# Altium PCB RK_NVR_DEMO1_RK3588_LP4XD200P232SD8_V21_20211228_final_lint.PcbDoc (part 7 of 29) (continued)
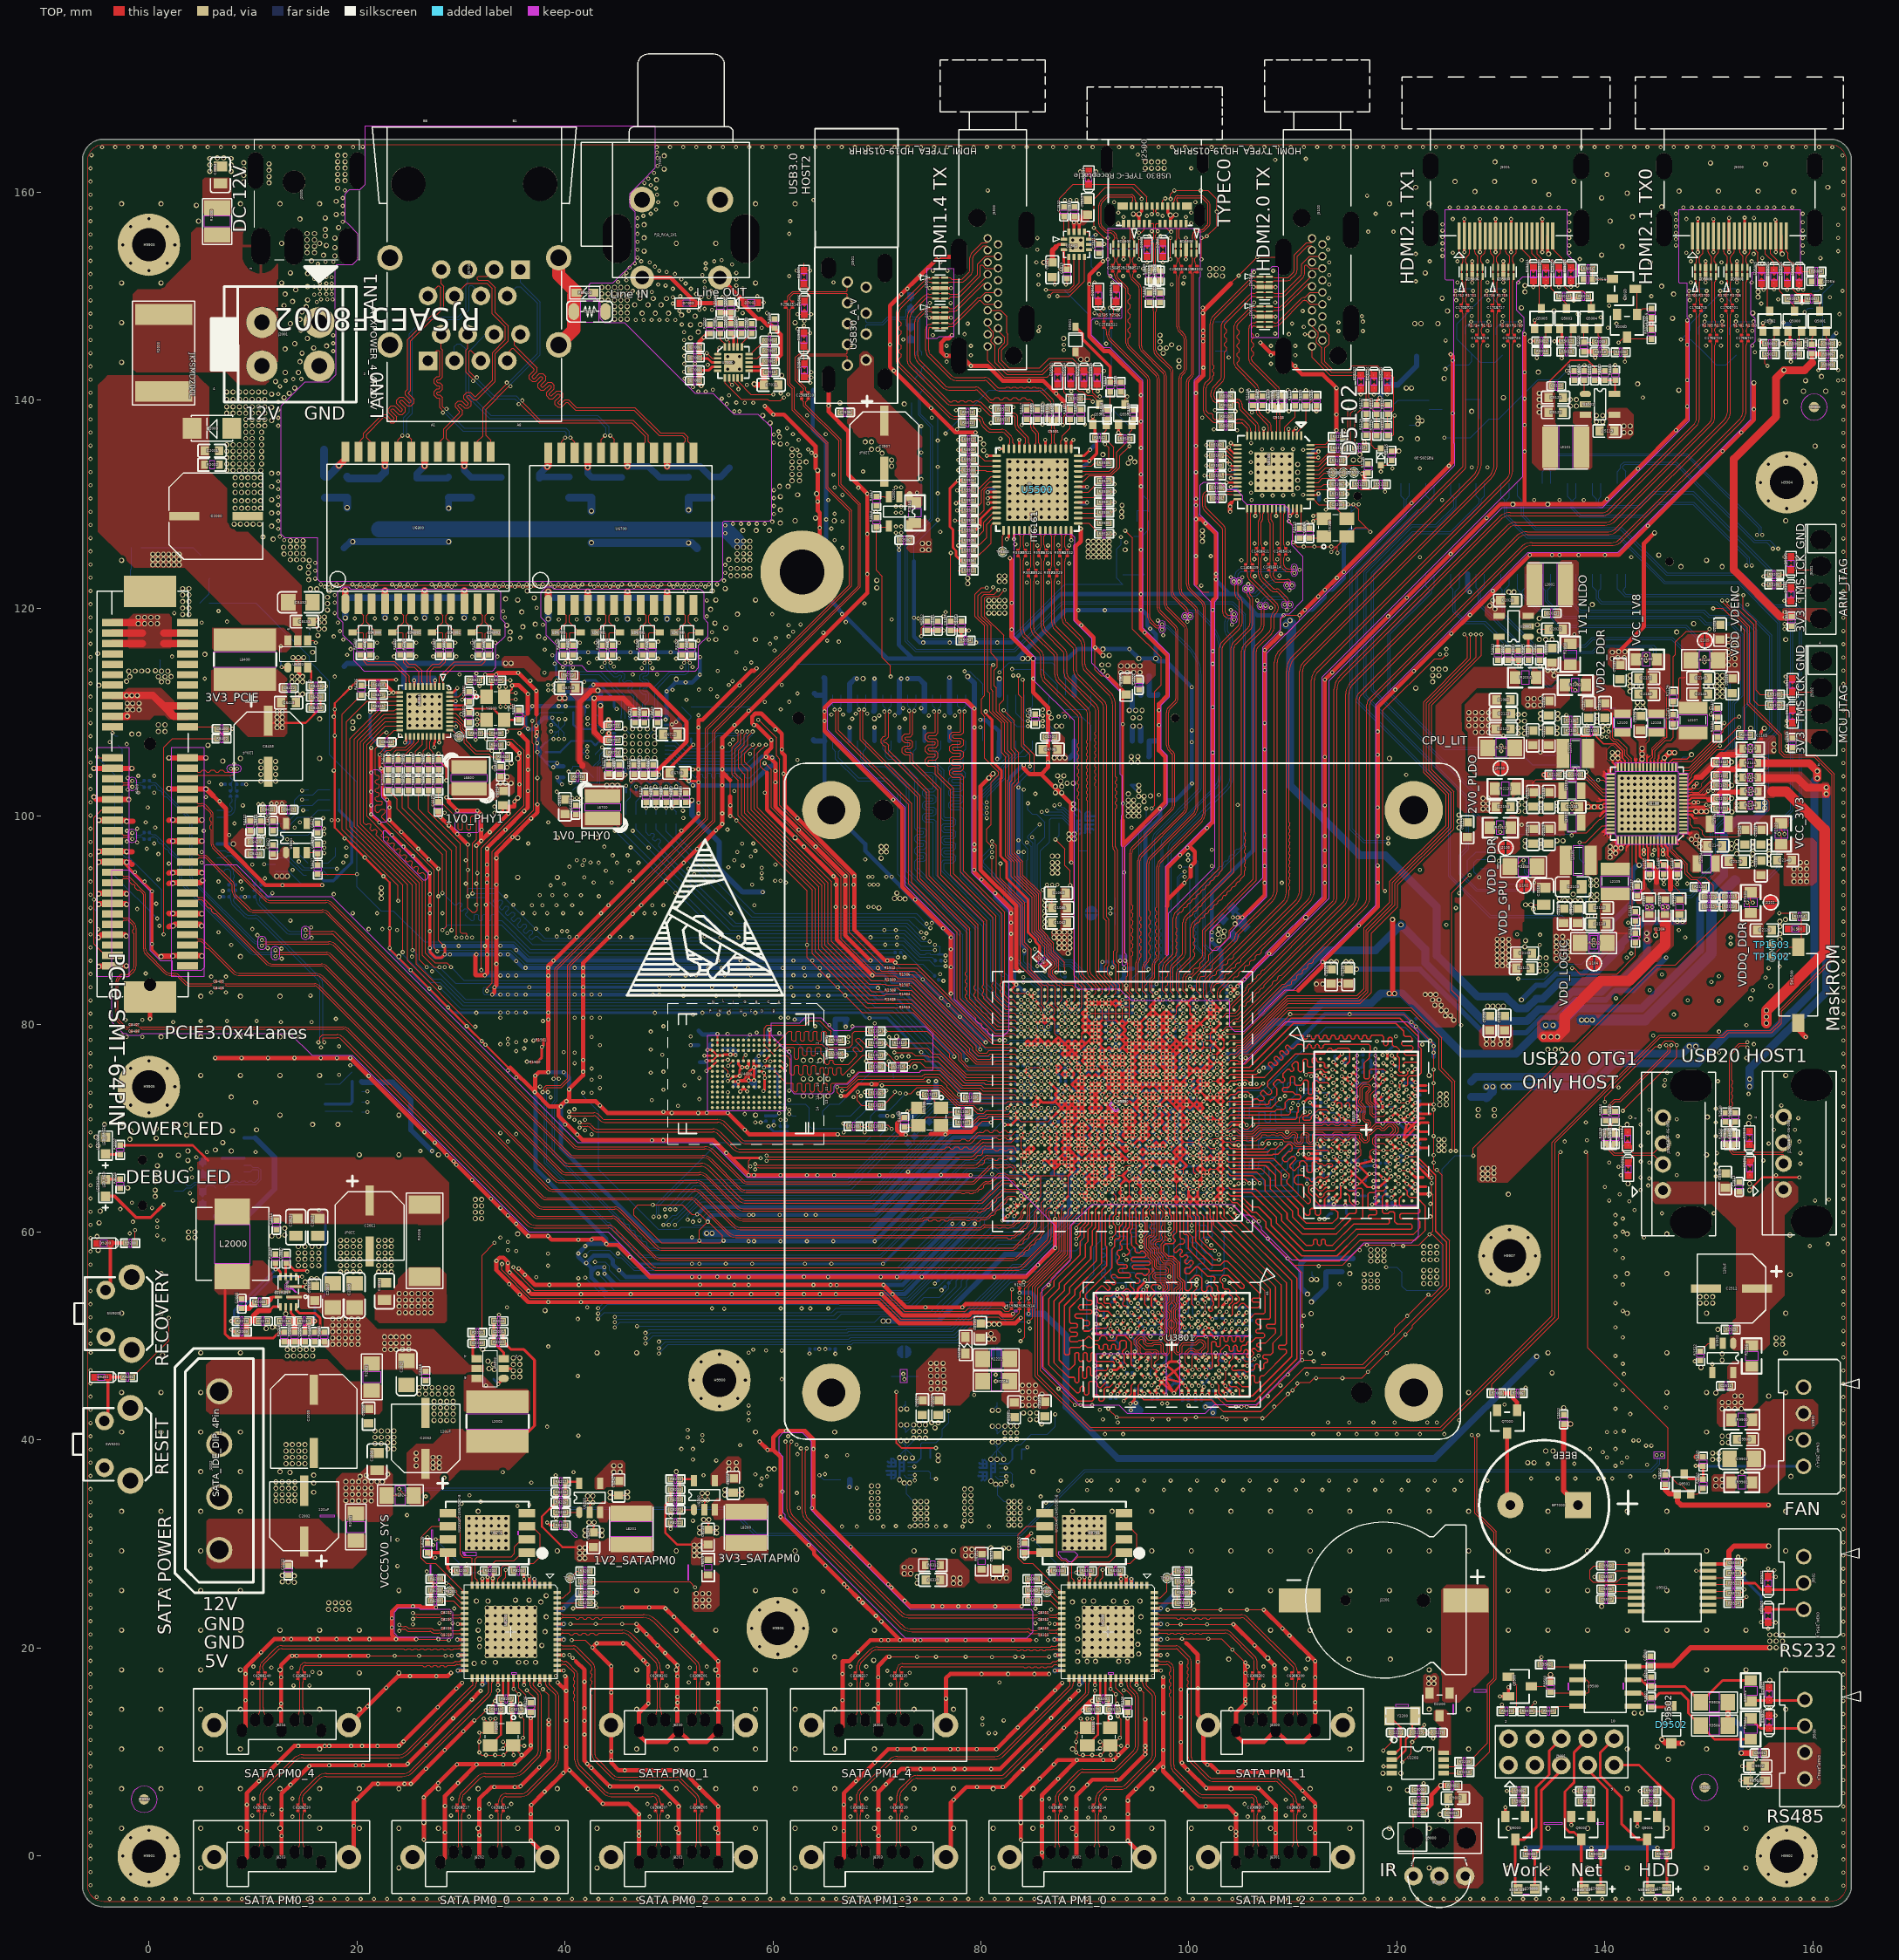
[diagram p0: TOP view]
## Nets (pads, with @x,y where several pads share a name; then routed paths per layer and width w, separated by ;. In a path a pad name is that pad's centre, name@x,y a point inside that pad or via, vN(x,y) a via of type N, cw(c..) or ccw(c..) an arc to the next point about the centre after c; other vN are vias at no path point) (continued)
DDR_CH1_CLKP_D: U1000.B13 U3801.P8 | length 27.5
  TOP w0.102: U1000.B13@96.541,62.506 96.634,62.412 96.634,62.268 96.532,62.167 96.33,62.167 96.203,62.039 96.203,61.739 96.461,61.481 96.461,61.329 96.291,61.159 96.291,61.015 96.461,60.846 96.461,60.643 96.278,60.461 96.278,60.317 96.461,60.135 96.461,59.809 96.359,59.707 96.194,59.707 95.95,59.462 95.95,58.429 96.283,58.095 96.283,57.68 96.695,57.268 96.695,56.672 96.915,56.452 97.731,56.452 97.832,56.35 97.832,56.207 97.736,56.111 96.739,56.111 96.531,55.903 96.531,55.608 96.739,55.4 97.654,55.4 97.858,55.197 97.858,55.006 97.98,54.884 97.98,54.592 97.733,54.346 97.733,54.034 97.98,53.787 97.98,53.449 97.674,53.143 97.674,52.369 97.93,52.113 97.93,51.799 97.674,51.543 97.674,50.769 97.93,50.512 97.93,50.174 97.68,49.924 97.68,49.59 97.93,49.34 97.93,48.479 97.828,48.377 97.685,48.377 97.553,48.51 97.553,49.195 97.332,49.416 96.579,49.416 96.452,49.289 95.987,49.289 95.885,49.391 95.885,49.585 95.493,49.977 95.349,49.977 94.96,49.588 94.96,49.258 95.328,48.889 95.328,48.466 95.456,48.338 95.737,48.338 95.901,48.502 96.283,48.502 96.435,48.349 96.537,48.349 96.676,48.489 96.776,48.489 96.865,48.4 96.865,48.1 U3801.P8@96.721,47.956
DDR_CH1_DM0_C: U1000.F8 U3801.C3 | length 17.5
  TOP w0.127: U1000.F8@99.791,65.106 v4(100.115,64.781) ; U3801.C3@103.871,51.956 104.068,51.956 104.195,52.083 104.195,52.934 104.411,53.15 104.563,53.15 104.843,53.429 104.843,53.681 104.538,53.985 104.538,54.42 103.903,55.055 v4(103.903,55.131)
  L6-S2 w0.089: 99.125,62.372 99.125,62.959 99.077,63.007 99.077,64.326 99.204,64.453 99.328,64.453 99.331,64.456 99.6,64.456 99.603,64.453 99.787,64.453 v4(100.115,64.781)
  L6-S2 w0.127: 99.125,62.372 101.426,60.071 102.188,60.071 103.903,58.357 v4(103.903,55.131)
  other v3: 103.903,55.131 100.115,64.781
  other v12: 103.903,55.131 100.115,64.781
DDR_CH1_DM0_D: U1000.D20 U3801.Y3 | length 14.7
  TOP w0.127: v4(91.063,52.756) 91.431,52.388 92.219,52.388 92.65,51.956 U3801.Y3@92.821,51.956 ; U1000.D20@91.991,63.806 v4(92.315,64.131)
  L6-S2 w0.089: v4(92.315,64.131) 92.473,63.973 92.473,63.31 92.64,63.142 92.64,61.953
  L6-S2 w0.127: v4(91.063,52.756) 91.203,52.896 91.203,59.5 91.965,60.262 91.965,61.278 92.64,61.953
  other v3: 91.063,52.756 92.315,64.131
  other v12: 91.063,52.756 92.315,64.131
DDR_CH1_DM1_C: U1000.D4 U3801.C10 | length 21.8
  TOP w0.127: v4(102.066,63.481) U1000.D4@102.391,63.806 ; U3801.C10@103.871,46.356 v31(104.275,45.952)
  L6-S2 w0.089: v4(102.066,63.481) 102.379,63.168 102.379,62.977 102.39,62.965 102.39,62.697 102.379,62.685 102.379,62.548 102.506,62.421 103.014,62.421 103.649,61.786 103.649,61.659 104.264,61.043
  L6-S2 w0.127: 104.264,61.043 106.653,58.655 106.653,49.638 106.697,49.594 106.697,48.832 104.792,46.927 104.792,46.546 104.275,46.029 v31(104.275,45.952)
  other v3: 102.066,63.481
  other v12: 102.066,63.481
DDR_CH1_DM1_D: U1000.D22 U3801.Y10 | length 21
  TOP w0.127: U1000.D22@90.691,63.806 v4(91.016,63.481) ; v31(92.471,46.005) U3801.Y10@92.821,46.356
  L6-S2 w0.089: 90.415,62.014 90.695,62.293 90.695,62.693 90.691,62.697 90.691,62.965 90.695,62.969 90.695,63.16 v4(91.016,63.481)
  L6-S2 w0.127: 90.415,62.014 90.314,61.912 90.314,61.1 89.679,60.465 89.679,58.738 89.336,58.395 89.336,48.159 90.949,46.546 91.931,46.546 v31(92.471,46.005)
  other v3: 91.016,63.481
  other v12: 91.016,63.481
DDR_CH1_DQ0_C: U1000.A8 U3801.B2 | length 17.3
  TOP w0.127: U1000.A8@99.791,61.856 99.883,61.763 99.883,60.014 100.347,59.551 100.347,58.687 102.201,56.833 103.014,56.833 103.395,57.214 103.698,57.214 106.824,54.088 106.824,53.763 106.712,53.651 106.173,53.651 106.062,53.54 106.062,53.382 106.173,53.27 106.712,53.27 106.824,53.159 106.824,52.896 106.646,52.718 105.732,52.718 105.3,53.15 105.046,53.15 104.652,52.756 U3801.B2@104.521,52.756
DDR_CH1_DQ0_D: U1000.A17 U3801.AA2 | length 18.7
  TOP w0.127: U3801.AA2@92.171,52.756 91.978,52.756 91.584,53.15 91.33,53.15 91.203,53.277 91.203,53.683 90.911,53.975 90.911,54.155 91.579,54.823 91.736,54.823 92.144,54.416 92.301,54.416 92.413,54.527 92.413,54.685 92.005,55.092 92.005,55.25 92.117,55.362 92.274,55.362 92.682,54.954 92.84,54.954 92.952,55.066 92.952,55.224 92.544,55.631 92.544,55.789 92.686,55.931 92.866,55.931 93.184,55.614 94.251,55.614 94.378,55.741 94.378,55.944 94.251,56.071 93.362,56.071 93.235,56.198 93.235,56.381 93.346,56.492 93.96,56.492 94.071,56.604 94.071,56.762 93.96,56.873 93.219,56.873 93.108,56.985 93.108,57.27 93.32,57.482 93.32,57.662 93.108,57.874 93.108,58.146 93.216,58.255 93.431,58.255 93.558,58.382 93.558,58.669 93.388,58.838 93.388,59.018 93.714,59.343 93.714,60.334 93.941,60.561 U1000.A17@93.941,61.856
DDR_CH1_DQ1_C: U1000.B9 U3801.C2 | length 18.6
  TOP w0.127: U1000.B9@99.141,62.506 99.336,62.506 99.542,62.299 99.542,62.119 99.463,62.04 99.463,61.363 99.496,61.33 99.496,59.842 99.585,59.754 99.811,59.754 99.938,59.627 99.938,58.359 101.995,56.301 103.201,56.301 103.421,56.521 103.672,56.521 105.32,54.873 105.32,54.694 105.193,54.567 105.013,54.567 103.753,55.826 103.277,55.826 103.014,55.563 103.014,55.249 103.268,54.995 103.268,54.674 103.395,54.547 103.776,54.547 103.936,54.386 103.936,54.005 104.03,53.912 104.069,53.912 104.196,53.785 104.196,53.316 103.871,52.992 U3801.C2@103.871,52.756
DDR_CH1_DQ1_D: U1000.B16 U3801.Y2 | length 16.5
  TOP w0.127: U3801.Y2@92.821,52.756 92.621,52.756 92.494,52.883 92.494,53.023 92.367,53.15 91.965,53.15 91.838,53.277 91.838,53.744 91.965,53.871 92.558,53.871 92.685,53.998 92.685,54.081 v4(93.129,54.525) ; v4(93.743,57.798) 94.068,57.798 94.286,58.015 94.286,58.221 94.069,58.437 94.069,60.284 94.272,60.487 94.272,62.188 U1000.B16@94.591,62.506
  L6-S2 w0.127: v4(93.129,54.525) 93.129,54.389 93.034,54.293 92.854,54.293 92.727,54.42 92.727,54.854 92.838,54.965 93.034,54.965 93.146,55.077 93.146,55.235 93.034,55.346 92.838,55.346 92.727,55.458 92.727,55.616 92.838,55.727 93.034,55.727 93.146,55.839 93.146,55.997 93.034,56.108 92.838,56.108 92.727,56.22 92.727,56.378 92.838,56.489 93.034,56.489 93.146,56.601 93.146,56.759 93.034,56.87 92.838,56.87 92.727,56.982 92.727,57.187 92.854,57.314 93.208,57.314 93.335,57.441 93.335,57.621 93.185,57.771 93.185,57.971 93.491,58.277 93.671,58.277 93.856,58.091 93.856,57.911 v4(93.743,57.798)
  other v3: 93.129,54.525 93.743,57.798
  other v12: 93.129,54.525 93.743,57.798
DDR_CH1_DQ2_C: U1000.A9 U3801.E2 | length 17.4
  TOP w0.127: U1000.A9@99.141,61.856 99.141,59.495 99.268,59.368 99.437,59.368 99.559,59.246 99.559,58.992 99.432,58.865 99.077,58.865 98.543,58.331 98.543,58.151 98.633,58.061 98.791,58.061 99.075,58.345 99.233,58.345 99.345,58.233 99.345,58.076 99.155,57.886 99.155,57.728 99.267,57.616 99.424,57.616 99.614,57.806 99.772,57.806 99.883,57.695 99.883,57.536 99.597,57.251 99.597,57.093 99.709,56.982 99.866,56.982 100.15,57.266 100.309,57.266 100.421,57.154 100.421,56.974 100.025,56.579 99.737,56.579 99.61,56.452 99.61,56.132 99.737,56.005 100.027,56.005 100.693,56.671 100.873,56.671 101.799,55.745 102.379,55.745 102.506,55.618 102.506,55.436 102.397,55.327 102.397,55.147 102.76,54.784 102.76,54.42 102.896,54.284 102.896,52.883 102.769,52.756 U3801.E2@102.571,52.756
DDR_CH1_DQ2_D: U1000.A16 U3801.V2 | length 21.2
  TOP w0.127: U3801.V2@94.121,52.756 94.121,52.762 93.994,52.889 93.787,52.889 93.636,53.041 93.636,53.221 93.794,53.378 93.794,53.734 93.542,53.986 93.542,54.166 93.669,54.293 93.692,54.293 93.945,54.546 94.125,54.546 94.378,54.293 94.378,54.166 94.478,54.065 94.658,54.065 94.759,54.166 94.759,54.445 94.378,54.826 94.378,55.042 94.505,55.169 94.771,55.169 94.849,55.092 95.177,55.092 95.304,55.219 95.304,55.399 95.14,55.563 95.013,55.563 94.886,55.69 94.886,55.891 95.038,56.043 95.47,56.043 95.684,55.829 95.864,55.829 96.18,56.145 96.18,56.325 96.053,56.452 94.68,56.452 94.579,56.552 94.579,56.732 94.68,56.833 96.149,56.833 96.276,56.96 96.276,57.094 96.156,57.214 94.558,57.214 94.458,57.314 94.458,57.468 94.585,57.595 95.737,57.595 95.864,57.722 95.864,57.902 95.592,58.174 95.412,58.174 95.267,58.029 94.953,58.029 94.826,58.156 94.826,58.424 94.505,58.745 94.505,59.754 94.378,59.881 94.378,60.186 94.591,60.398 U1000.A16@94.591,61.856
DDR_CH1_DQ3_C: U1000.B10 U3801.F2 | length 19.3
  TOP w0.127: U1000.B10@98.491,62.506 98.692,62.506 98.819,62.379 98.819,60.004 98.477,59.662 98.477,59.465 98.669,59.272 98.669,59.092 98.476,58.899 97.758,58.899 97.54,58.681 97.54,58.167 98.023,57.684 98.481,57.684 99.089,57.075 99.089,55.726 99.623,55.193 99.623,54.503 99.764,54.362 99.952,54.362 100.22,54.63 100.22,55.055 100.094,55.181 100.094,55.398 100.221,55.525 100.283,55.525 100.585,55.826 100.972,55.826 101.236,55.563 101.236,54.42 101.363,54.293 101.617,54.293 101.744,54.42 101.744,54.685 101.871,54.812 102.051,54.812 102.252,54.611 102.252,54.293 102.084,54.125 102.084,53.945 102.248,53.781 102.248,53.404 102.379,53.273 102.379,53.027 102.223,52.87 102.223,52.65 102.305,52.568 102.305,52.488 102.191,52.374 102.011,52.374 101.921,52.464 U3801.F2@101.921,52.756
DDR_CH1_DQ3_D: U1000.B15 U3801.U2 | length 16.3
  TOP w0.127: U3801.U2@94.771,52.756 v4(95.114,52.413) ; U1000.B15@95.241,62.506 95.215,62.48 95.023,62.48 94.822,62.28 94.822,62.1 94.907,62.014 94.907,58.97 95.14,58.738 95.231,58.738 v4(95.394,58.575)
  L6-S2 w0.127: v4(95.114,52.413) 95.495,52.794 95.495,53.226 95.165,53.557 95.165,53.683 95.267,53.785 95.394,53.785 95.494,53.885 95.494,54.065 95.394,54.166 95.233,54.166 95.106,54.293 95.106,54.507 95.217,54.619 95.298,54.619 95.41,54.73 95.41,54.888 95.298,55 95.217,55 95.106,55.111 95.106,55.269 95.217,55.381 95.298,55.381 95.41,55.492 95.41,55.65 95.298,55.762 95.217,55.762 95.106,55.873 95.106,56.164 95.245,56.303 95.775,56.303 95.902,56.43 95.902,56.609 95.79,56.721 95.217,56.721 95.106,56.832 95.106,56.99 95.217,57.102 95.79,57.102 95.902,57.213 95.902,57.371 95.79,57.483 95.217,57.483 95.106,57.594 95.106,57.752 95.217,57.864 95.79,57.864 95.902,57.975 95.902,58.168 95.807,58.262 95.521,58.262 95.394,58.389 v4(95.394,58.575)
  other v3: 95.114,52.413 95.394,58.575
  other v12: 95.114,52.413 95.394,58.575
DDR_CH1_DQ4_C: U1000.A6 U3801.F4 | length 12.5
  TOP w0.127: U1000.A6@101.091,61.856 101.427,61.52 101.427,59.429 v4(101.74,59.115) ; v31(101.534,51.543) U3801.F4@101.921,51.156
  L6-S2 w0.127: v31(101.534,51.543) 101.197,51.88 100.728,51.88 100.347,52.261 100.347,57.721 v4(101.74,59.115)
  other v3: 101.74,59.115
  other v12: 101.74,59.115
DDR_CH1_DQ4_D: U1000.A19 U3801.U4 | length 14.5
  TOP w0.127: v4(92.494,60.487) 92.342,60.639 92.342,61.557 U1000.A19@92.641,61.856 ; v31(94.403,51.524) U3801.U4@94.771,51.156
  L6-S2 w0.127: v4(92.494,60.487) 92.628,60.487 92.981,60.134 92.981,58.845 91.965,57.829 91.965,52.007 92.107,51.865 92.107,51.346 92.31,51.143 94.022,51.143 v31(94.403,51.524)
  other v3: 92.494,60.487
  other v12: 92.494,60.487
DDR_CH1_DQ5_C: U1000.B7 U3801.E4 | length 14.8
  TOP w0.127: U1000.B7@100.44,62.506 100.776,62.171 100.776,61.705 101.02,61.461 101.02,59.327 101.99,58.357 102.379,58.357 v4(102.506,58.23) ; U3801.E4@102.571,51.156 v31(102.875,50.852)
  L6-S2 w0.127: v4(102.506,58.23) 101.236,56.96 101.236,52.896 101.363,52.769 101.744,52.769 101.896,52.616 101.896,51.473 102.176,51.194 102.533,51.194 v31(102.875,50.852)
  other v3: 102.506,58.23
  other v12: 102.506,58.23
DDR_CH1_DQ5_D: U1000.B18 U3801.V4 | length 16.1
  TOP w0.127: v4(92.52,59.395) 92.952,59.826 92.952,60.596 92.727,60.82 92.727,61.481 92.964,61.719 92.964,62.179 U1000.B18@93.291,62.506 ; v31(93.748,50.782) U3801.V4@94.121,51.156
  L6-S2 w0.127: v4(92.52,59.395) 91.859,59.395 91.584,59.119 91.584,52.007 91.406,51.829 91.406,51.423 91.838,50.991 91.838,50.737 92.219,50.356 93.321,50.356 v31(93.748,50.782)
  other v3: 92.52,59.395
  other v12: 92.52,59.395
DDR_CH1_DQ6_C: U1000.A7 U3801.C4 | length 14.3
  TOP w0.127: U1000.A7@100.44,61.856 100.44,61.685 100.665,61.461 100.665,59.106 102.43,57.341 v4(102.887,57.341) ; U3801.C4@103.871,51.156 104.128,51.412 v31(104.128,51.495)
  L6-S2 w0.127: v4(102.887,57.341) 102.125,56.579 102.125,53.15 102.252,53.023 102.252,52.134 103.268,51.118 103.75,51.118 v31(104.128,51.495)
  other v3: 102.887,57.341
  other v12: 102.887,57.341
DDR_CH1_DQ6_D: U1000.A18 U3801.Y4 | length 14.1
  TOP w0.127: U3801.Y4@92.821,51.156 92.821,51.212 v31(93.108,51.499) ; v4(93.155,61.35) 93.291,61.486 U1000.A18@93.291,61.856
  L6-S2 w0.089: 93.108,60.44 92.651,60.897 92.473,60.897 92.346,61.024 92.346,61.278 92.724,61.656 93.066,61.656 93.155,61.567 v4(93.155,61.35)
  L6-S2 w0.127: v31(93.108,51.499) 92.346,52.261 92.346,52.87 92.651,53.175 92.651,53.48 92.346,53.785 92.346,57.671 92.485,57.811 92.663,57.811 92.79,57.938 92.79,58.115 93.362,58.687 93.362,58.992 93.489,59.119 93.616,59.119 93.743,59.246 93.743,59.5 93.616,59.627 93.489,59.627 93.362,59.754 93.362,60.186 93.108,60.44
  other v3: 93.155,61.35
  other v12: 93.155,61.35
DDR_CH1_DQ7_C: U1000.B8 U3801.B4 | length 15.5
  TOP w0.127: U1000.B8@99.791,62.506 100.114,62.182 100.114,61.452 100.271,61.296 v4(100.271,60.643) ; U3801.B4@104.521,51.156 v31(104.824,51.459)
  L6-S2 w0.127: v4(100.271,60.643) 100.296,60.643 101.287,59.652 101.845,59.652 103.522,57.976 103.522,57.214 103.014,56.706 103.014,53.785 102.633,53.404 102.633,52.134 102.887,51.88 104.284,51.88 104.704,51.459 v31(104.824,51.459)
  other v3: 100.271,60.643
  other v12: 100.271,60.643
DDR_CH1_DQ7_D: U1000.B17 U3801.AA4 | length 22.5
  TOP w0.127: U3801.AA4@92.171,51.156 92.171,50.869 92.039,50.737 90.695,50.737 90.441,50.483 89.933,50.483 89.806,50.61 89.806,50.864 89.933,50.991 90.314,50.991 90.441,51.118 90.441,51.372 90.314,51.499 89.933,51.499 89.71,51.722 89.199,51.722 89.044,51.877 89.044,52.007 89.171,52.134 90.568,52.134 90.668,52.234 90.668,52.414 90.568,52.515 89.546,52.515 89.382,52.679 89.382,52.859 89.546,53.023 90.59,53.023 90.717,53.15 90.717,53.33 90.59,53.457 90.261,53.457 90.06,53.658 90.06,54.023 92.6,56.563 92.6,58.373 92.838,58.611 92.838,59.07 92.854,59.086 92.854,59.246 92.981,59.373 93.235,59.373 93.362,59.5 93.362,59.753 93.307,59.808 93.307,60.486 93.612,60.791 93.612,62.379 93.739,62.506 U1000.B17@93.941,62.506
DDR_CH1_DQ8_C: U1000.A3 U3801.B11 | length 25.3
  TOP w0.127: U1000.A3@103.041,61.856 103.041,61.464 109.364,55.141 109.364,49.245 109.252,49.134 108.713,49.134 108.602,49.022 108.602,48.864 108.713,48.753 109.252,48.753 109.364,48.641 109.364,48.365 107.164,46.165 106.951,46.165 106.824,46.038 106.824,45.697 106.626,45.499 106.443,45.499 106.316,45.626 106.316,46.137 106.215,46.237 106.035,46.237 105.935,46.137 105.935,45.276 105.808,45.149 105.114,45.149 104.707,45.556 U3801.B11@104.521,45.556
DDR_CH1_DQ8_D: U1000.A22 U3801.AA11 | length 26
  TOP w0.127: U1000.A22@90.691,61.856 90.691,60.639 90.314,60.262 90.314,59.119 90.06,58.865 90.06,57.638 87.52,55.098 87.52,54.59 86.504,53.574 86.504,47.265 89.215,44.554 89.395,44.554 89.552,44.711 89.552,45.047 89.663,45.159 89.838,45.159 89.965,45.032 89.965,44.455 90.077,44.344 90.235,44.344 90.362,44.471 90.362,45.529 90.489,45.657 91,45.657 91.238,45.418 91.238,45.198 91.365,45.071 91.556,45.071 92.041,45.556 U3801.AA11@92.171,45.556
DDR_CH1_DQ9_C: U1000.B3 U3801.C11 | length 26
  TOP w0.127: U1000.B3@103.041,62.506 103.363,62.183 103.363,61.563 104.284,60.643 104.581,60.643 109.872,55.352 109.872,48.027 106.105,44.26 104.97,44.26 104.843,44.387 104.843,44.887 104.585,45.145 104.033,45.145 103.871,45.307 U3801.C11@103.871,45.556
DDR_CH1_DQ9_D: U1000.B22 U3801.Y11 | length 27.9
  TOP w0.127: U1000.B22@90.691,62.506 90.356,62.171 90.356,60.812 89.933,60.389 89.933,59.5 89.552,59.119 89.552,57.849 87.012,55.309 87.012,54.801 85.996,53.785 85.996,47.054 89.298,43.752 90.695,43.752 90.822,43.879 90.822,44.26 90.949,44.387 91.203,44.387 91.33,44.26 91.33,43.879 91.457,43.752 91.711,43.752 91.847,43.888 91.847,44.904 92.037,45.094 92.36,45.094 U3801.Y11@92.821,45.556
DDR_CH1_DQ10_C: U1000.A2 U3801.E11 | length 27.7
  TOP w0.127: U3801.E11@102.571,45.556 102.887,45.24 102.887,44.514 103.649,43.752 106.316,43.752 110.38,47.816 110.38,55.563 104.864,61.078 104.465,61.078 103.691,61.853 U1000.A2@103.691,61.856
DDR_CH1_DQ10_D: U1000.A23 U3801.V11 | length 21.3
  TOP w0.127: v4(89.171,59.347) 89.552,59.728 89.552,60.389 90.041,60.878 U1000.A23@90.041,61.856 ; v31(93.771,45.206) U3801.V11@94.121,45.556
  L6-S2 w0.127: v4(89.171,59.347) 89.145,59.347 88.806,59.008 88.806,47.936 91.897,44.844 93.409,44.844 v31(93.771,45.206)
  other v3: 89.171,59.347
  other v12: 89.171,59.347
DDR_CH1_DQ11_C: U1000.B2 U3801.F11 | length 23.2
  TOP w0.127: U3801.F11@101.921,45.556 v4(102.252,45.225) ; U1000.B2@103.691,62.506 v4(104.023,62.173)
  L6-S2 w0.089: v4(104.023,62.173) 104.023,61.681 104.665,61.039
  L6-S2 w0.127: v4(102.252,45.225) 102.913,45.225 103.344,45.657 103.903,45.657 104.157,45.403 105.354,45.403 107.078,47.126 107.078,58.769 105.026,60.82 104.808,61.039 104.665,61.039
  other v3: 102.252,45.225 104.023,62.173
  other v12: 102.252,45.225 104.023,62.173
DDR_CH1_DQ11_D: U1000.B23 U3801.U11 | length 24.6
  TOP w0.127: v4(89.171,60.389) 89.171,60.516 89.726,61.071 89.726,62.19 U1000.B23@90.041,62.506 ; v31(93.743,43.752) 94.454,44.463 94.454,45.239 U3801.U11@94.771,45.556
  L6-S2 w0.127: v4(89.171,60.389) 89.145,60.389 88.409,59.652 88.409,47.793 92.196,44.006 93.489,44.006 v31(93.743,43.752)
  other v3: 89.171,60.389
  other v12: 89.171,60.389
DDR_CH1_DQ12_C: U1000.A5 U3801.F9 | length 25.4
  TOP w0.127: U1000.A5@101.741,61.856 101.741,61.248 101.834,61.155 101.834,59.796 107.332,54.298 107.332,52.284 107.205,52.157 106.344,52.157 105.909,51.722 105.909,50.203 105.681,49.975 105.405,49.975 105.293,49.863 105.293,49.578 105.182,49.467 105.024,49.467 104.912,49.578 104.912,49.863 104.801,49.975 104.643,49.975 104.531,49.863 104.531,49.578 104.42,49.467 104.262,49.467 104.15,49.578 104.15,49.863 104.039,49.975 103.881,49.975 103.769,49.863 103.769,49.578 103.658,49.467 103.5,49.467 103.388,49.578 103.388,49.863 103.277,49.975 103.141,49.975 103.014,49.848 103.014,49.086 102.913,48.985 102.733,48.985 102.633,49.086 102.633,49.34 102.506,49.467 102.252,49.467 102.146,49.361 102.146,48.295 102.248,48.193 102.248,47.435 102.254,47.428 102.254,47.014 102.154,46.913 102.011,46.913 101.921,47.003 U3801.F9@101.921,47.156
DDR_CH1_DQ12_D: U1000.A20 U3801.U9 | length 26.3
  TOP w0.127: U1000.A20@91.991,61.856 91.991,58.712 92.092,58.611 92.092,56.774 89.552,54.234 89.552,53.747 88.536,52.731 88.536,51.341 88.663,51.214 89.171,51.214 89.298,51.087 89.298,50.907 89.186,50.796 88.647,50.796 88.536,50.684 88.536,50.505 88.647,50.393 89.186,50.393 89.298,50.282 89.298,50.102 89.171,49.975 88.663,49.975 88.536,49.848 88.536,49.565 88.663,49.438 89.269,49.438 89.425,49.594 89.933,49.594 90.287,49.948 90.467,49.948 90.822,49.594 91.315,49.594 91.442,49.721 91.442,49.863 91.642,50.063 91.877,50.063 92.079,49.86 92.079,49.721 92.206,49.594 92.906,49.594 93.033,49.721 93.033,49.922 93.152,50.041 93.855,50.041 94.45,49.445 94.45,47.283 94.577,47.156 U3801.U9@94.771,47.156
DDR_CH1_DQ13_C: U1000.B5 U3801.E9 | length 26.2
  TOP w0.127: U1000.B5@101.741,62.506 102.057,62.189 102.057,61.338 102.146,61.249 102.146,60.202 107.84,54.509 107.84,51.76 107.728,51.649 106.554,51.649 106.443,51.537 106.443,51.296 106.642,51.096 106.82,51.096 106.947,50.969 106.947,50.789 106.82,50.662 106.554,50.662 106.443,50.551 106.443,50.393 106.554,50.281 107.164,50.281 107.291,50.154 107.291,49.974 107.164,49.847 106.443,49.847 106.062,49.466 105.681,49.467 105.554,49.34 105.554,49.213 105.449,49.108 105.139,49.108 105.028,48.996 105.028,48.651 104.916,48.54 104.758,48.54 104.647,48.651 104.647,48.996 104.535,49.108 104.377,49.108 104.266,48.996 104.266,48.651 104.154,48.54 103.996,48.54 103.885,48.651 103.885,48.996 103.773,49.108 103.518,49.108 103.061,48.65 103.061,48.396 102.896,48.231 102.896,47.825 102.79,47.72 102.79,47.54 102.896,47.435 102.896,47.265 102.769,47.138 102.589,47.138 U3801.E9@102.571,47.156
DDR_CH1_DQ13_D: U1000.B20 U3801.V9 | length 27.9
  TOP w0.127: U1000.B20@91.991,62.506 91.656,62.171 91.656,59.953 91.584,59.881 91.584,56.985 89.044,54.445 89.044,53.957 88.028,52.941 88.028,48.324 88.155,48.197 88.409,48.197 88.536,48.324 88.536,48.803 88.663,48.93 89.523,48.93 89.679,49.086 90.06,49.086 90.217,48.928 90.667,48.928 90.925,49.186 91.237,49.186 91.364,49.059 91.364,48.832 91.491,48.705 91.671,48.705 91.783,48.816 91.783,49.101 91.894,49.213 92.052,49.213 92.164,49.101 92.164,48.816 92.275,48.705 92.433,48.705 92.545,48.816 92.545,49.101 92.656,49.213 92.814,49.213 92.926,49.101 92.926,48.816 93.037,48.705 93.235,48.705 93.362,48.832 93.362,49.44 93.489,49.567 93.87,49.567 93.997,49.44 93.997,48.906 93.616,48.525 93.616,48.324 93.79,48.15 93.79,47.487 U3801.V9@94.121,47.156
DDR_CH1_DQ14_C: U1000.A4 U3801.C9 | length 24.7
  TOP w0.127: U1000.A4@102.391,61.856 102.391,60.677 108.348,54.72 108.348,51.252 108.236,51.141 107.57,51.141 107.459,51.029 107.459,50.871 107.57,50.76 108.236,50.76 108.348,50.648 108.348,50.313 107.375,49.34 106.661,49.34 106.534,49.212 106.534,49.085 106.661,48.959 106.822,48.959 106.949,48.831 106.949,48.652 106.812,48.515 106.632,48.515 106.342,48.805 106.162,48.805 106.062,48.705 106.062,48.552 106.213,48.401 106.213,48.221 105.928,47.936 105.634,47.936 105.554,48.017 105.554,48.197 105.681,48.324 105.681,48.578 105.554,48.705 105.427,48.705 105.3,48.578 105.3,48.451 105.16,48.311 104.331,48.311 104.204,48.184 104.204,47.842 103.871,47.51 U3801.C9@103.871,47.156
DDR_CH1_DQ14_D: U1000.A21 U3801.Y9 | length 26.6
  TOP w0.127: U1000.A21@91.341,61.856 91.341,60.273 91.076,60.008 91.076,57.217 88.536,54.677 88.536,54.168 87.52,53.152 87.52,47.686 88.38,46.826 88.581,46.826 89.044,47.289 89.044,48.321 89.144,48.422 89.324,48.422 89.425,48.321 89.425,47.689 89.536,47.577 89.711,47.577 89.822,47.689 89.822,48.31 89.934,48.422 90.092,48.422 90.203,48.31 90.203,47.689 90.315,47.577 90.473,47.577 90.584,47.689 90.584,48.31 90.696,48.422 90.854,48.422 90.965,48.31 90.965,47.689 91.077,47.577 91.187,47.577 91.203,47.562 92.694,47.562 92.821,47.435 U3801.Y9@92.821,47.156
DDR_CH1_DQ15_C: U1000.B4 U3801.B9 | length 24.7
  TOP w0.127: U1000.B4@102.391,62.506 102.586,62.506 102.713,62.379 102.713,61.073 108.856,54.931 108.856,50.102 108.094,49.34 108.094,48.451 107.84,48.197 107.23,48.197 107.13,48.096 107.13,47.916 107.23,47.816 107.459,47.816 107.586,47.689 107.586,47.562 107.459,47.435 107.332,47.435 107.205,47.308 107.205,46.927 107.206,46.925 107.132,46.851 106.877,46.851 106.75,46.978 106.75,47.181 106.623,47.308 106.443,47.308 106.316,47.181 106.316,46.872 106.189,46.745 105.88,46.745 105.716,46.581 105.464,46.581 105.3,46.745 104.665,46.745 104.59,46.671 104.261,46.671 104.133,46.8 104.133,46.98 104.309,47.156 U3801.B9@104.521,47.156
DDR_CH1_DQ15_D: U1000.B21 U3801.AA9 | length 27.9
  TOP w0.127: U1000.B21@91.341,62.506 91.006,62.171 91.006,60.446 90.695,60.135 90.695,58.738 90.568,58.611 90.568,57.428 88.028,54.888 88.028,54.379 87.012,53.363 87.012,47.475 88.449,46.038 88.937,46.038 89.049,45.926 89.049,45.643 89.16,45.532 89.318,45.532 89.43,45.643 89.43,46.958 89.541,47.069 89.668,47.069 89.78,46.958 89.78,46.047 89.891,45.935 90.049,45.935 90.161,46.047 90.161,46.942 90.272,47.054 90.43,47.054 90.542,46.942 90.542,46.276 90.653,46.164 90.811,46.164 90.923,46.276 90.923,46.548 91.05,46.675 92.044,46.675 92.171,46.802 U3801.AA9@92.171,47.156
DDR_CH1_DQS0N_C: U1000.D9 U3801.E3 | length 15.8
  TOP w0.102: U1000.D9@99.141,63.806 v4(99.465,63.481) ; U3801.E3@102.571,51.956 102.958,52.342 v31(102.983,52.342)
  L6-S2 w0.097: v4(99.465,63.481) 99.465,63.64 99.567,63.742 99.673,63.742 100.017,63.398 100.017,62.629 101.851,60.795 102.058,60.795 104.538,58.315 104.538,53.691 103.742,52.896 103.539,52.896 103.319,52.675 103.319,52.54 103.121,52.342 v31(102.983,52.342)
  other v3: 99.465,63.481
  other v12: 99.465,63.481
DDR_CH1_DQS0N_D: U1000.G16 U3801.V3 | length 20.7
  TOP w0.102: v31(93.796,52.281) U3801.V3@94.121,51.956 ; v4(94.266,65.431) U1000.G16@94.591,65.756
  L6-S2 w0.097: v31(93.796,52.281) 93.635,52.281 93.533,52.382 93.533,52.526 93.743,52.735 93.743,53.251 94.022,53.531 94.36,53.531 94.581,53.751 94.581,54.504 94.483,54.602 94.483,54.745 94.581,54.843 94.581,55.177 94.373,55.385 93.864,55.385 93.769,55.48 93.769,55.606 93.858,55.695 94.424,55.695 94.632,55.903 94.632,56.198 94.424,56.406 93.857,56.406 93.768,56.495 93.768,56.621 93.858,56.711 94.357,56.711 94.632,56.985 94.632,59.017 94.365,59.284 94.365,59.441 94.632,59.707 94.632,60.153 94.411,60.373 94.267,60.373 94.165,60.475 94.165,60.618 94.267,60.72 94.421,60.72 94.641,60.94 94.641,61.252 94.421,61.473 94.124,61.473 94.022,61.574 94.022,61.718 94.124,61.82 94.493,61.82 94.702,62.028 94.702,62.323 94.2,62.824 94.2,64.758 93.733,65.224 93.733,65.553 93.928,65.747 94.071,65.747 94.266,65.553 v4(94.266,65.431)
  other v3: 94.266,65.431
  other v12: 94.266,65.431
DDR_CH1_DQS0P_C: U1000.E9 U3801.D3 | length 15.9
  TOP w0.102: U1000.E9@99.141,64.456 v4(99.465,64.131) ; U3801.D3@103.221,51.956 103.608,52.342 v31(103.633,52.342)
  L6-S2 w0.097: v4(99.465,64.131) 99.465,64.046 99.567,63.945 99.758,63.945 100.22,63.483 100.22,62.714 101.935,60.998 102.143,60.998 104.741,58.4 104.741,53.607 103.827,52.693 103.623,52.693 103.522,52.591 103.522,52.418 103.598,52.342 v31(103.633,52.342)
  other v3: 99.465,64.131
  other v12: 99.465,64.131
DDR_CH1_DQS0P_D: U1000.H16 U3801.W3 | length 21
  TOP w0.089: v4(93.616,66.081) 93.941,66.406 U1000.H16@94.591,66.406
  TOP w0.102: v31(93.146,52.281) U3801.W3@93.471,51.956
  L6-S2 w0.097: v31(93.146,52.281) 93.268,52.281 93.33,52.343 93.33,52.611 93.54,52.82 93.54,53.336 93.938,53.734 94.276,53.734 94.378,53.836 94.378,54.42 94.28,54.518 94.28,54.83 94.378,54.928 94.378,55.093 94.289,55.182 93.78,55.182 93.566,55.396 93.566,55.69 93.774,55.898 94.339,55.898 94.429,55.987 94.429,56.114 94.339,56.203 93.773,56.203 93.565,56.411 93.565,56.706 93.773,56.914 94.273,56.914 94.429,57.069 94.429,58.933 94.162,59.199 94.162,59.525 94.429,59.792 94.429,60.068 94.327,60.17 94.182,60.17 93.962,60.39 93.962,60.702 94.182,60.923 94.337,60.923 94.438,61.025 94.438,61.168 94.337,61.269 94.039,61.269 93.819,61.49 93.819,61.802 94.039,62.023 94.409,62.023 94.498,62.112 94.498,62.238 93.997,62.74 93.997,64.673 93.53,65.14 93.53,65.637 93.616,65.723 v4(93.616,66.081)
  other v3: 93.616,66.081
  other v12: 93.616,66.081
DDR_CH1_DQS1N_C: U1000.D5 U3801.E10 | length 22.8
  TOP w0.102: v4(101.416,63.481) U1000.D5@101.741,63.806 ; U3801.E10@102.571,46.356 v31(102.896,46.031)
  L6-S2 w0.097: v4(101.416,63.481) 101.318,63.481 101.227,63.572 101.182,63.572 101.085,63.475 101.085,62.694 101.993,61.786 102.218,61.786 106.233,57.77 106.233,50.24 104.284,48.29 104.284,46.8 103.674,46.19 103.055,46.19 v31(102.896,46.031)
  other v3: 101.416,63.481
  other v12: 101.416,63.481
DDR_CH1_DQS1N_D: U1000.E21 U3801.V10 | length 24.5
  TOP w0.102: v31(93.796,46.031) U3801.V10@94.121,46.356
  TOP w0.119: U1000.E21@91.341,64.456 v4(91.666,64.131)
  L6-S2 w0.097: v4(91.666,64.131) 91.666,64.009 91.781,63.894 91.995,63.894 92.216,63.673 92.216,63.205 91.584,62.573 91.584,62.04 91.203,61.659 91.203,60.228 90.441,59.466 90.441,58.4 90.06,58.019 90.06,48.682 90.162,48.58 90.441,48.58 90.543,48.682 90.543,49.195 90.789,49.441 91.211,49.441 91.457,49.195 91.457,47.9 91.922,47.435 92.727,47.435 93.362,46.8 93.362,46.546 93.573,46.335 93.573,46.132 93.674,46.031 v31(93.796,46.031)
  other v3: 91.666,64.131
  other v12: 91.666,64.131
DDR_CH1_DQS1P_C: U1000.E5 U3801.D10 | length 23.1
  TOP w0.102: v4(101.416,64.131) U1000.E5@101.741,64.456 ; v31(102.896,46.681) U3801.D10@103.221,46.356
  L6-S2 w0.097: v4(101.416,64.131) 101.416,64.009 101.182,63.775 101.098,63.775 100.881,63.559 100.881,62.609 101.908,61.583 102.133,61.583 106.03,57.686 106.03,50.324 104.081,48.374 104.081,46.884 103.59,46.393 103.039,46.393 102.896,46.537 v31(102.896,46.681)
  other v3: 101.416,64.131
  other v12: 101.416,64.131
DDR_CH1_DQS1P_D: U1000.D21 U3801.W10 | length 24.1
  TOP w0.102: v31(93.146,46.031) U3801.W10@93.471,46.356
  TOP w0.119: U1000.D21@91.341,63.806 v4(91.666,63.481)
  L6-S2 w0.097: v4(91.666,63.481) 91.666,63.589 91.767,63.691 91.911,63.691 92.013,63.589 92.013,63.289 91.381,62.657 91.381,62.124 91,61.743 91,60.313 90.238,59.551 90.238,58.484 89.857,58.103 89.857,48.598 90.077,48.377 90.525,48.377 90.746,48.597 90.746,49.111 90.873,49.238 91.126,49.238 91.254,49.111 91.254,47.815 91.837,47.232 92.642,47.232 93.159,46.715 93.159,46.461 93.37,46.25 93.37,46.132 93.268,46.031 v31(93.146,46.031)
  other v3: 91.666,63.481
  other v12: 91.666,63.481